# KiCad board Neptune.kicad_pcb (continued)
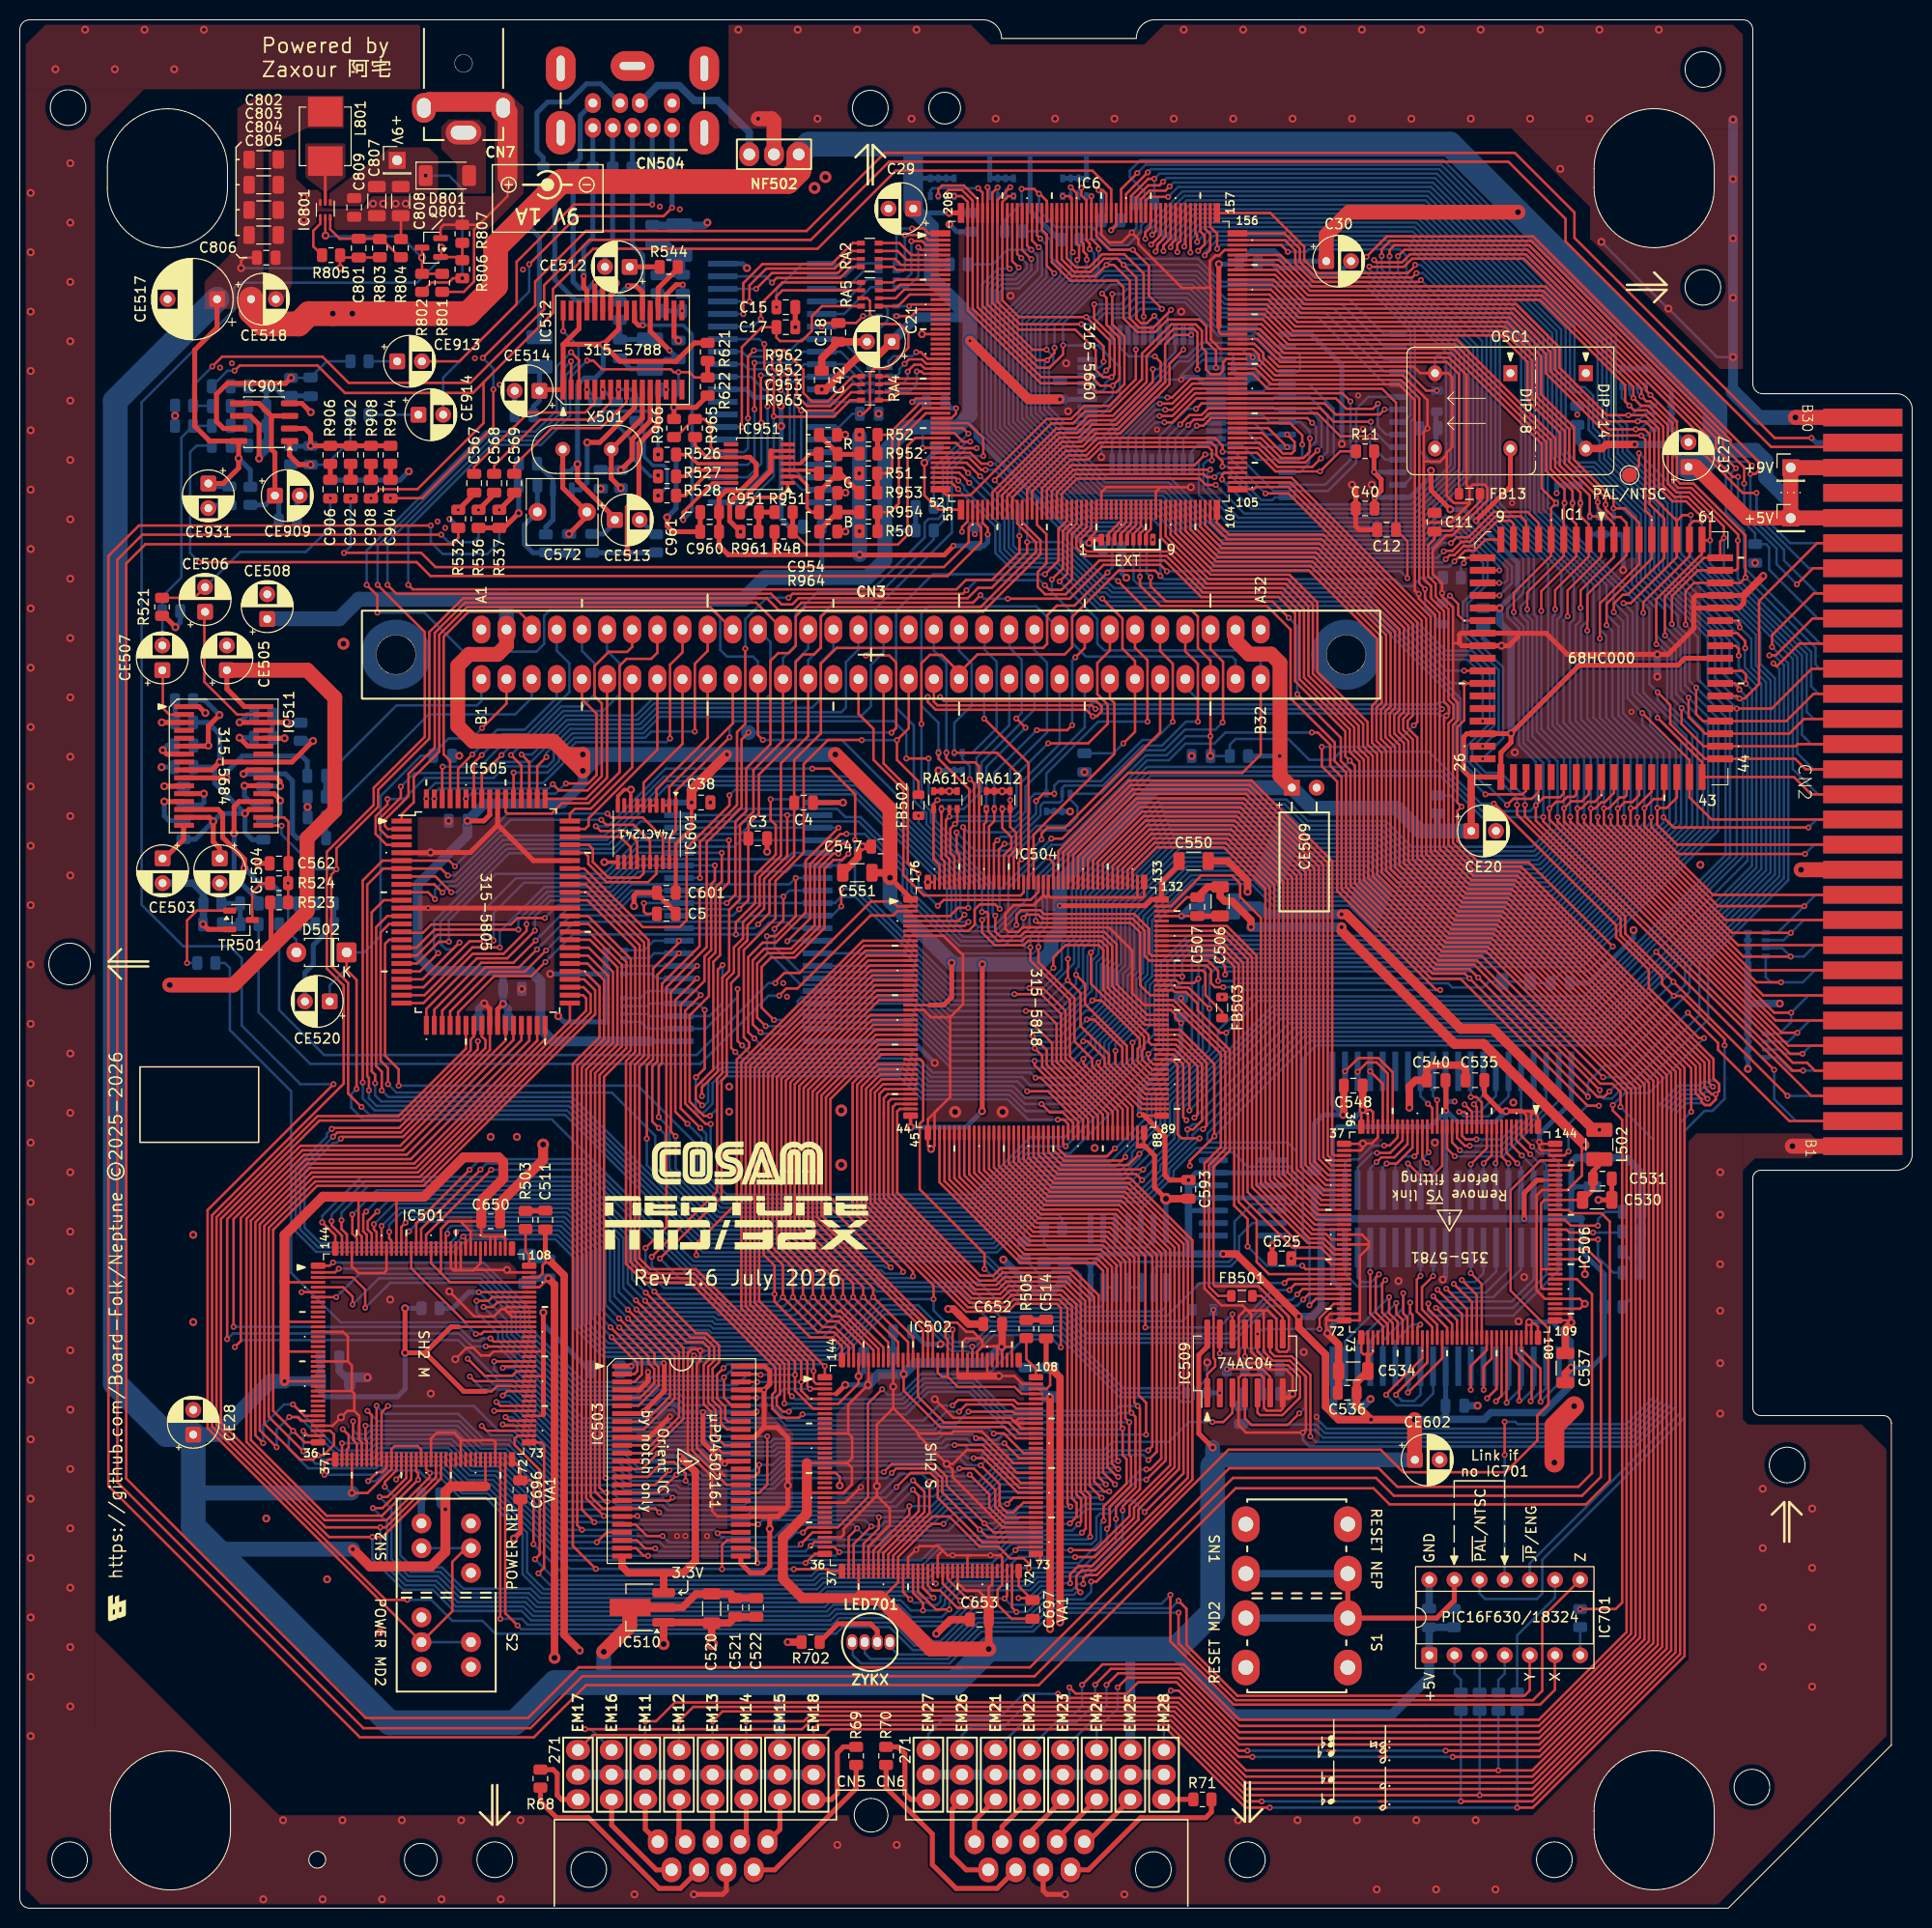
[diagram p0: board, top side]
## Routing (per net, layer and track width the routed paths; a pad name or vN(x,y) marks a point on that pad's centre or on a via; arc(x,y) is an arc through that point) (continued)
~{AS}: length 270.9
  Top w0.25: 103.78,171.88 103.78,172.57 103.04,173.31 v1(102.97,173.31) 102.48,173.8 v1(101.22,173.8)
  Bottom w0.25: v1(101.22,173.8) 101.22,172.38 99.51,170.66 R75.2 ; v1(102.97,173.31) 102.97,171.63 104.65,169.95 108.36,169.95 110.21,168.1 111.93,168.1 113.28,169.45 113.28,170.11 113.65,170.49 113.65,173.51 112.15,175.01 112.15,175.64 113.21,176.7 143.84,176.7 161.25,159.28 161.25,151.07 162.4,149.92 162.4,147.38 167.39,142.38 167.39,136.76 175.4,128.75 175.4,125.62 176.88,124.14 176.88,104.71 160.3,88.12 129.8,88.12 120,78.33 120,77.7 120.29,77.41 128.09,77.41 128.99,76.51 128.99,71.68 128.48,71.17 124.49,71.17 122.74,69.42 122.74,65.91 122.17,65.34 111.37,65.34 110.72,64.69 IC516.12 IC516.13 109.44,61.03 109.18,60.77 107.76,60.77 107.17,61.35 107.17,64.02 106.77,64.42 104.38,64.42 R558.2 103.48,63.65 101.56,65.57 R559.1
~{BACKM}: length 78.8
  Top w0.25: v1(21.6,58.78) 21.6,69.68 28.55,76.62 38.73,76.62 49.88,87.78 IC505.36 ; IC501.93 47.88,57.28 v1(47.55,57.6)
  Bottom w0.25: v1(47.55,57.6) 46.78,57.6 46.53,57.35 45.75,57.35 44.32,58.78 v1(21.6,58.78)
~{BACKS}: length 137.5
  Top w0.25: v1(99.47,47) 100.97,45.5 IC502.92 ; IC505.37 50.68,87.75 39.1,76.18 28.73,76.18 22.32,69.77 22.32,57.33 v1(21.72,56.72)
  Bottom w0.25: v1(21.72,56.72) 22.42,57.43 44.31,57.43 48.34,53.4 49.82,53.4 55.95,47.28 69.38,47.28 70.02,46.63 75.97,46.63 76.34,47 93.12,47 93.57,47.45 95.65,47.45 96.2,46.9 99.38,46.9 v1(99.47,47)
~{BGAK}: length 86.6
  Top w0.25: v1(108.1,167.73) 108.1,168.28 107.78,168.6 107.78,172.18 ; v1(149.48,133.98) IC1.12 ; v1(107.26,173.91) 107.26,173.15 107.78,172.63 107.78,171.38
  Bottom w0.25: v1(108.1,167.73) 108.55,167.28 108.55,165.88 102.62,159.96 102.62,151.16 109.64,144.15 116.04,144.15 121.44,138.75 141.86,138.75 143.26,140.15 145.59,140.15 150.3,135.43 150.3,134.3 149.98,133.98 v1(149.48,133.98) ; RA608.6 106.97,173.62 v1(107.26,173.91)
~{BG}: length 80.3
  Top w0.25: v1(107.8,166.65) 107.8,167.14 107.47,167.47 107.47,168.25 107.28,168.45 107.28,171.88 ; v1(149.49,135.25) IC1.11
  Bottom w0.25: v1(107.8,166.65) 107.8,165.77 102.17,160.14 102.17,150.98 109.45,143.7 115.85,143.7 121.25,138.3 142.05,138.3 143.45,139.7 145.4,139.7 149.49,135.61 v1(149.49,135.25)
~{BREQS}: length 141.2
  Top w0.25: v1(20.95,57.53) 20.95,69.67 28.36,77.08 38.44,77.08 49.08,87.71 IC505.35 ; IC502.93 101.42,46 99.42,48 98.43,48 v1(98.4,47.97) ; v1(47.07,56.8) 47.1,56.78 IC501.92
  Bottom w0.25: v1(20.95,57.53) 21.52,58.1 44.36,58.1 45.66,56.8 v1(47.07,56.8) 48.33,56.8 56.51,48.62 76.28,48.62 77,47.9 92.6,47.9 93.2,48.5 97.87,48.5 v1(98.4,47.97)
~{BR}: length 85.5
  Top w0.25: v1(108.28,173.07) 108.28,168.74 109,168.02 v1(109,167.73) ; v1(149.5,132.71) IC1.13
  Bottom w0.25: v1(108.28,173.07) 107.78,173.07 ; v1(149.5,132.71) 150.75,133.96 150.75,135.62 145.77,140.6 143.08,140.6 141.68,139.2 121.62,139.2 116.22,144.6 109.82,144.6 103.07,151.35 103.07,159.77 109,165.69 v1(109,167.73)
~{CART}: length 87.5
  Top w0.25: CN3.b32 125.38,116.63 123.53,114.78 112,114.78 105.34,108.12 v1(104.22,108.12) ; 106.78,141.15 106.78,139.98 105.85,139.05 105.85,134.93 v1(105.05,134.13) ; v1(99,101.03) 98.55,101.47 97,101.47 96.47,100.95 96.47,99.43 95.85,98.8 IC504.7
  Bottom w0.25: v1(105.05,134.13) 108.87,130.31 108.87,127.83 109.55,127.15 124.42,127.15 125.38,126.2 CN3.b32 ; v1(99,101.03) 99,102.9 v1(104.22,108.12)
~{CAS0}: length 242.2
  Top w0.25: v1(100.92,165.85) 100.28,166.5 100.28,171.88 ; v1(118.22,75.05) 118.22,75.55 v1(120.7,78.03) 120.69,78.05 120.69,85.33 117.22,88.8 IC504.106 ; v1(178.61,82.12) v1(167.08,93.65) 162.21,98.52 162.21,100.26 152.08,110.4 v1(152.08,111.52)
  Bottom w0.25: 137.31,133.9 137.31,133.9 144.09,127.12 146.75,127.12 148.97,124.9 148.97,119.58 146.75,117.36 146.75,116.16 148.14,114.78 149.64,114.78 152.08,112.34 v1(152.08,111.52) ; v1(167.08,93.65) 161.1,87.68 130.35,87.68 v1(120.7,78.03) ; v1(100.92,165.85) 100.92,165.74 100.28,165.1 98.84,165.1 97.67,163.94 97.67,149.11 107.59,139.2 112.07,139.2 112.53,138.75 112.53,134.29 112.92,133.9 137.28,133.9 ; v1(178.61,82.12) CN2.a3 ; 125.17,73.07 128.29,73.07 128.54,73.32 128.54,74.7 128.26,74.97 124.03,74.97 122.6,76.4 119.07,76.4 118.22,75.56 v1(118.22,75.05)
~{CAS1}: length 26.4
  Top w0.25: v1(72.95,149.73) 72.95,157.8 74.97,159.82 C17.1 76.45,158.78 76.8,158.43 79,158.43 80.03,159.45 80.03,160.93 81.05,161.95 RA5.4
  Bottom w0.25: v1(72.95,149.73) 72.95,149.73 IC7.27
~{CAS2}: length 230.1
  Top w0.25: 102.78,141.15 102.78,139.85 103.72,138.9 103.72,135.95 102.85,135.07 102.85,133.57 103.6,132.82 105.67,132.82 109.1,136.25 115.68,136.25 119.38,132.55 127.18,132.55 128.85,130.88 128.85,124.05 133.93,118.97 133.93,116.45 v1(134.38,116) 134.9,115.48 134.9,103.59 143.11,95.38 146.96,95.38 v1(159.63,82.71) ; v1(177.04,127.5) 177.04,128.69 181.27,132.92 CN2.b23 ; IC504.113 114.2,92.3 113.2,93.3 113.2,98.63 112.23,99.6 102.87,99.6 v1(102.65,99.82)
  Bottom w0.25: v1(102.65,99.82) 102.65,104.15 113.88,115.38 133.75,115.38 v1(134.38,116) ; v1(177.04,127.5) 178.68,125.86 178.68,103.94 178.62,103.88 178.62,103.87 178.53,103.78 178.53,103.78 170.58,95.83 170.58,89.83 163.65,82.9 161.9,82.9 160.85,81.85 159.97,81.85 159.63,82.2 v1(159.63,82.71)
~{CASEL}: length 24.4
  Top w0.25: 102.42,103.72 102.42,108.52 110.59,116.68 110.59,121.84 110.14,122.29 CN3.b26 110.36,124.04
~{CCAS0}: length 35.9
  Top w0.25: 101.42,103.72 101.42,102.69 101.11,102.38 91.35,102.38 89.28,104.45 89.28,113.08 86.25,116.1 86.25,119.23 84.74,120.74 CN3.b16
~{CCAS2}: length 22.4
  Top w0.25: 101.92,103.72 101.92,115.77 v1(97.44,120.25)
  Bottom w0.25: v1(97.44,120.25) 97.44,120.25 CN3.b21
~{CCE0}: length 37
  Top w0.25: v1(92.75,101.33) 93.35,101.93 102.12,101.93 102.92,102.72 102.92,103.72 ; CN3.b17 87.28,115.71 89.72,113.26 89.72,105.68 v1(90.8,104.6)
  Bottom w0.25: v1(90.8,104.6) 90.8,103.28 v1(92.75,101.33)
~{CE0}: length 85.2
  Top w0.25: IC504.107 113.65,89.3 109.93,93.02 109.93,97.07 109.2,97.8 101.89,97.8 101.44,97.35 98.5,97.35 97.22,98.62 v1(97.22,99.9) ; 105.78,141.15 105.78,140.25 104.95,139.43 104.95,136.23 v1(103.57,134.85)
  Bottom w0.25: v1(97.22,99.9) 97.29,99.9 97.85,100.46 97.85,103.33 91.6,109.58 91.6,110.71 90.32,111.98 90.32,119.58 88.54,121.36 88.54,131.14 92.25,134.85 v1(103.57,134.85)
~{CLWR}: length 27.5
  Top w0.25: v1(101.23,106.03) 100.92,105.73 100.92,103.72 ; v1(103.23,108.04) 103.23,108.65 103.8,109.21 105.57,109.21 115.22,118.85 CN3.b28
  Bottom w0.25: v1(103.23,108.04) v1(101.23,106.03)
~{CSYNC}: length 27.2
  Top w0.25: IC6.42 90.47,148.62 89.7,147.85 89.7,138.82 88.72,137.85 79.39,137.85 R48.2
  Top w0.5: R951.1 R48.2
~{DISK}: length 125.2
  Top w0.25: CN2.b2 178.79,79.58 171.59,86.78 171.59,87.47 v1(168.53,90.53) ; v1(159.97,84) 147.7,96.28 143.49,96.28 135.8,103.96 135.8,116.1 134.83,117.07 134.83,119.35 129.75,124.42 129.75,131.32 127.62,133.45 119.75,133.45 116.05,137.15 107.8,137.15 107.2,137.75 107.2,138.4 108.28,139.48 108.28,141.15
  Bottom w0.25: v1(159.97,84) 162,84 v1(168.53,90.53)
~{DTAK}: length 172.9
  Top w0.25: v1(98.56,100.34) 98.56,98.74 99.05,98.25 101.07,98.25 101.52,98.7 109.57,98.7 110.83,97.44 110.83,93.4 113.92,90.3 IC504.109 ; 101.78,171.88 101.78,168.07 v1(102.2,167.65) ; v1(115.25,134.67) 114.7,135.23 111.03,135.23 106.32,130.53 106.32,127.5 105.57,126.75 96.78,126.75 94.9,124.87 CN3.b20 94.9,124.95 93.15,126.7 91.95,126.7 91.1,125.85 v1(91.1,119.73)
  Bottom w0.25: R15.1 98.31,166.18 99.78,167.65 v1(102.2,167.65) 102.82,167.03 102.82,165.59 100.98,163.75 99.4,163.75 99.03,163.38 99.03,149.67 108.15,140.55 114.35,140.55 115.25,139.65 115.25,136.48 115.25,136.47 v1(115.25,134.67) 115.57,134.35 138.97,134.35 139.67,133.65 140.72,133.65 141.58,134.5 R74.1 ; v1(91.1,119.73) 91.1,111.85 92.05,110.9 92.05,109.77 98.3,103.52 98.3,100.6 v1(98.56,100.34)
~{EOE}: length 74.9
  Top w0.25: 100.78,141.15 100.78,139.99 102.67,138.09 102.67,137.12 97.07,131.53 79.32,131.53 78.4,130.6 78.4,127.6 77.68,126.88 76.64,126.88 75.84,126.08 75.84,117.67 73.4,115.23 73.4,110.9 72.3,109.8 72.3,102.47 v1(71.44,101.61) ; v1(63.05,101.6) 63.05,100.75 63.28,100.53 C5.1
  Bottom w0.25: v1(63.05,101.6) 63.06,101.61 IC2.32 v1(71.44,101.61)
~{FDC}: length 139.8
  Top w0.25: v1(136.06,166.94) 138.12,169 152.91,169 175.67,146.23 175.67,145.3 175.37,145 v1(174.85,145) ; 104.78,141.15 104.78,143.11 106.63,144.97 119.63,144.97 119.93,144.67 v1(120.71,144.67)
  Bottom w0.25: v1(120.71,144.67) 121.09,145.06 122.1,145.06 125.26,141.9 140.56,141.9 144.57,145.91 144.57,156.81 135.72,165.66 135.72,166.6 v1(136.06,166.94) ; CN2.a24 180.77,135.46 174.85,141.37 v1(174.85,145)
~{FDWR}: length 138.8
  Top w0.25: v1(179.55,133.82) 181.18,135.46 CN2.b24 ; v1(173.6,144.7) 173.09,144.7 170.62,147.16 170.62,148.74 152.16,167.2 140.47,167.2 139.65,166.38 137.08,166.38 v1(136.84,166.61) ; v1(120.83,143.88) 119.84,143.88 119.21,144.52 106.82,144.52 105.28,142.97 105.28,141.15
  Bottom w0.25: v1(179.55,133.82) 177.5,135.88 177.5,137.45 173.6,141.35 v1(173.6,144.7) ; v1(120.83,143.88) 123.71,141 140.93,141 145.47,145.54 145.47,157.19 137.15,165.51 137.15,166.3 v1(136.84,166.61)
~{FRES}: length 116.5
  Top w0.25: v1(136.35,165.95) 136.37,165.93 139.84,165.93 140.66,166.75 151.97,166.75 169.9,148.82 169.9,147.25 174.08,143.07 v1(175.47,143.07) ; IC6.108 121.69,145.12 121.47,144.9 v1(121.47,144.43)
  Bottom w0.25: v1(175.47,143.07) 175.47,141.39 178.86,138 CN2.a25 ; v1(121.47,144.43) 124.45,141.45 140.75,141.45 145.02,145.72 145.02,157 136.35,165.67 v1(136.35,165.95)
~{HALT}: length 65.3
  Top w0.25: IC1.19 147.79,125.1 v1(145.93,125.1) ; v1(95.81,145.09) 95.28,145.62 IC6.48
  Bottom w0.25: v1(95.81,145.09) 99.92,140.98 99.92,137.56 100.58,136.9 105.23,136.9 109.12,133.01 109.71,133.01 110.17,132.55 136.7,132.55 144.15,125.1 v1(145.93,125.1)
~{HSYNC}: length 176.2
  Top w0.25: CN3.b14 79.66,118.5 76.9,115.74 76.9,106.39 74.75,104.24 74.75,101.36 73.07,99.68 73.07,98.05 72.15,97.13 72.15,94.6 71.42,93.88 71.42,84.21 70.91,83.69 70.91,71.91 v1(64.67,65.68) ; IC6.43 94.59,148.12 95.12,147.6 v1(96.67,147.6) ; v1(128.29,62.49) 128.29,62.54 128.85,63.1 IC506.65
  Bottom w0.25: v1(64.67,65.68) 66.75,63.6 86.6,63.6 86.95,63.25 96.97,63.25 100.03,60.2 105.78,60.2 107.92,58.06 122.14,58.06 126.57,62.49 v1(128.29,62.49) ; v1(96.67,147.6) 95.66,147.6 93.72,145.67 93.72,140.66 R14.1 92.34,138.38 86.16,132.2 82.5,132.2 80.92,130.62 80.92,127.42 79.66,126.16 CN3.b14
~{INT}: length 27.1
  Top w0.25: v1(115.4,161.68) 114.08,163 114.08,166.02 v1(112.45,167.65) 110.16,167.65 108.78,169.04 108.78,171.88
  Bottom w0.25: IC4.12 110.36,160.52 110.63,160.79 112.31,160.79 113.19,161.68 v1(115.4,161.68) ; v1(112.45,167.65) 110.03,167.65 108.99,168.69 R10.1
~{IORQ}: length 20.8
  Top w0.25: 105.78,171.88 105.78,166.81 106.71,165.88 108.03,165.88 109.35,167.2 111.6,167.2 113.55,165.25 v1(113.55,160.9)
  Bottom w0.25: IC4.16 113.55,159.05 v1(113.55,160.9)
~{IPL1}: length 104
  Top w0.25: v1(106.83,166.63) 107.03,166.82 107.03,168.06 106.78,168.31 106.78,171.8 ; 106.78,171.38 106.78,173.38 v1(106.18,173.97)
  Bottom w0.25: v1(106.18,173.97) 106.17,173.97 RA608.7 ; v1(147.8,116.2) 149.87,118.27 149.87,125.43 146.26,129.04 146.26,131.83 148.3,133.87 148.3,136.16 145.21,139.25 143.64,139.25 142.24,137.85 121.07,137.85 115.67,143.25 109.26,143.25 101.72,150.79 101.72,160.33 106.83,165.44 v1(106.83,166.63)
~{IPL2}: length 100.9
  Top w0.25: 106.28,171.54 106.28,167.52 v1(106.4,167.4) ; v1(105.38,173.07) 106.05,173.07 106.28,172.85 106.28,171.38
  Bottom w0.25: v1(106.4,167.4) 106.21,167.21 106.21,165.45 101.28,160.52 101.28,150.6 109.08,142.8 115.48,142.8 120.88,137.4 142.42,137.4 143.82,138.8 145.03,138.8 147.85,135.98 147.85,134.05 145.81,132.01 145.81,128.79 149.42,125.18 149.42,119.09 v1(147.8,117.47)
~{JAP}: length 143
  Top w0.25: IC6.107 128.49,144.62 142.55,130.56 142.55,106.76 146.28,103.03 150.77,103.03 168.87,84.92 v1(168.87,80.53)
  Bottom w0.25: 152.56,33.19 152.56,34.86 167.75,50.05 167.75,79.4 v1(168.87,80.53)
~{LDS}: length 84.1
  Top w0.25: v1(144.07,136.38) 144.47,136.77 144.9,136.77 144.9,136.78 144.94,136.78 145.85,137.69 146.73,137.69 149.29,140.25 150.63,140.25 150.91,139.97 IC1.8 ; 102.78,171.88 102.78,169.12 v1(103.11,168.78)
  Bottom w0.25: v1(103.11,168.78) 103.11,168.77 103.72,168.15 103.72,164.88 99.92,161.08 99.92,150.04 108.52,141.45 114.92,141.45 120.32,136.05 143.75,136.05 v1(144.07,136.38)
~{LWR}: length 285.1
  Top w0.25: v1(121.08,93.73) 121.08,94.76 120.04,95.8 IC504.120 114.12,95.8 113.65,96.28 113.65,98.82 112.42,100.05 103.3,100.05 102.91,100.44 101.74,100.44 v1(101.4,100.1) ; v1(177.17,125.84) 177.47,125.55 177.53,125.55 179.81,127.84 CN2.b21 ; v1(101.19,166.81) 100.78,167.23 100.78,171.88 ; v1(158.45,82.03) v1(146.47,94) 146,94.47 142.74,94.47 134,103.22 134,114.81 132.85,115.96 132.85,117.85 128.4,122.3 128.4,129.25 126,131.65 115.25,131.65 113.17,133.73 v1(113.17,134.6)
  Bottom w0.25: v1(101.19,166.81) 101.75,166.25 101.75,165.79 100.61,164.65 99.02,164.65 98.12,163.75 98.12,149.3 107.77,139.65 112.6,139.65 113.17,139.07 v1(113.17,134.6) ; v1(146.47,94) 122.82,94 122.56,93.73 v1(121.08,93.73) ; IC2.38 72.43,109.23 73.06,109.86 84.76,109.86 89.65,104.96 89.65,102.58 94.93,97.3 99.48,97.3 101.4,99.22 v1(101.4,100.1) ; v1(177.17,125.84) 177.78,125.24 177.78,104.31 168.7,95.23 168.7,92.62 161.25,85.18 160.12,85.18 158.45,83.5 v1(158.45,82.03)
~{M1}: length 31.2
  Top w0.25: 104.28,171.88 104.28,166.4 106.15,164.53 110.85,164.53 111.51,163.86 111.51,160.73 112.91,159.33 114.72,159.33 115.99,160.6 119.2,160.6 119.88,159.92 119.88,158.39 120.86,157.42 v1(120.86,155.74)
~{M3}: length 261.6
  Top w0.25: v2(120.3,116.48) 120.3,116.48 v1(120.3,118.48) CN3.b30 120.3,126.13 119.03,127.4 119.03,130.57 118.4,131.2 113.92,131.2 v1(110.97,134.15) ; v1(98.07,146.03) 97.15,146.03 96.05,147.12 IC6.45 ; v1(89.57,116.23) v1(91.82,116.23) ; v1(170.17,87.96) 169.65,87.96 164.59,93.02 164.59,94.86 161.29,98.16 161.29,99.37 149,111.66 v1(148.93,111.66) ; v1(71.71,118.36) 66.28,112.93 IC601.1 66.28,108.9 65.62,108.25 IC601.19 ; v1(160.95,81.19) 160.95,80.65 161.9,79.7 161.9,30.9 161.24,30.24 v1(157.66,30.24)
  Bottom w0.25: v1(98.07,146.03) 98.5,146.03 105.6,138.92 105.6,138.44 109.64,134.4 110.72,134.4 v1(110.97,134.15) ; v1(160.95,81.19) 162.17,82.41 164.62,82.41 v1(170.17,87.96) ; v1(91.82,116.23) 91.82,111.76 92.5,111.08 92.5,109.95 96.06,106.39 100.32,106.39 102.9,108.97 106.2,108.97 113.78,116.55 115.88,116.55 117.81,118.48 v1(120.3,118.48) ; v1(148.93,111.66) 147.63,111.66 142.38,116.91 133.46,116.91 132.65,116.1 130.27,116.1 128.17,118.2 122.84,118.2 122.26,117.62 R566.1 v2(120.3,116.48) ; v1(89.57,116.23) 89.57,118.73 88.3,120 72.28,120 71.71,119.44 v1(71.71,118.36)
~{MREQ}: length 29.5
  Top w0.25: 93.03,143.62 IC6.52 93.65,142.82 96.03,142.82 103.75,150.55 106.22,150.55 107.55,151.88 110.06,151.88 112.76,154.57 v1(112.76,157.56)
  Bottom w0.25: v1(112.76,157.56) IC4.15
~{MRES}: length 170
  Top w0.25: IC506.64 128.17,63.6 v1(127.78,63.2) ; v1(46.7,119.3) 49.18,121.78 CN3.b2 ; D502.1 33.02,94.85 34.03,93.85 v1(34.03,82.83)
  Bottom w0.25: v1(127.78,63.2) 119.24,63.2 115.91,59.87 107.38,59.87 106.15,61.1 101.92,61.1 97.63,65.4 68.1,65.4 53.75,79.75 34.67,79.75 33.48,80.94 33.48,82.28 v1(34.03,82.83) ; CE520.1 31.31,93.28 33.02,95 D502.1 34.8,96.62 36.45,98.28 36.45,112.43 40.53,116.5 C595.2 41.78,116.7 43.32,118.25 45.65,118.25 v1(46.7,119.3)
~{NMI}: length 30.4
  Top w0.25: 99.28,141.15 99.28,142.87 105.08,148.67 107.04,148.67 108.34,149.98 110.81,149.98 115.27,154.44 115.27,156.29 v1(114.68,156.87)
  Bottom w0.25: IC4.13 111.16,157.76 112.05,156.87 v1(114.68,156.87)
~{NOE}: length 69.7
  Top w0.25: 73.61,108.29 73.61,109.57 74.67,110.64 74.67,114.6 78.4,118.33 78.4,126 79.15,126.75 80.25,126.75 80.94,127.44 80.94,130.54 81.47,131.07 97.32,131.07 103.12,136.88 103.12,138.28 101.28,140.12 101.28,141.15 ; v1(72.69,100.99) 73.61,101.91 C3.1
  Bottom w0.25: v1(72.69,100.99) 72.04,100.34 IC2.31
~{OE1}: length 6.2
  Top w0.25: v1(85.2,160.95) 84.5,160.25 C18.1 81.38,160.25 v1(81.03,159.89)
  Bottom w0.25: v1(85.2,160.95) 86.78,160.95
~{RAS0}: length 117.6
  Top w0.25: v1(109.9,135.03) 106.55,131.68 104.78,131.68 103.8,130.7 103.8,127.8 103.4,127.4 82.53,127.4 80.94,125.82 80.94,118.77 78.24,116.07 C4.1 ; C4.1 78.24,106.38 75.75,103.89 75.75,100.61 v1(74.6,99.45) ; C4.1 78.23,111.75 78.18,111.75 ; 99.78,171.88 99.78,165.98 v1(100.03,165.73)
  Bottom w0.25: v1(100.03,165.73) 98.82,165.73 97.22,164.12 97.22,148.93 107.4,138.75 109.97,138.75 110.38,138.35 110.38,135.5 v1(109.9,135.03) ; v1(74.6,99.45) 74.21,99.07 IC2.30
~{RAS1}: length 22.7
  Top w0.25: RA5.3 85.62,162.75 85.9,162.48 85.9,161.12 86.88,160.15 88.9,160.15 89.78,159.28 89.78,157.75 87.67,155.65 86.32,155.65 85.9,155.23 85.9,151.73 85.25,151.07 v1(84.88,151.07)
  Bottom w0.25: v1(84.88,151.07) 84.12,151.07 82.78,149.73 IC7.14
~{RAS2}: length 148.2
  Top w0.25: v1(138.4,167) 138.4,167.62 138.87,168.1 152.53,168.1 172.1,148.53 172.1,147.78 174.22,145.65 v1(174.22,144.03) ; v1(120.45,146.36) 120.45,147.37 120.09,147.73 109.27,147.73 107.97,146.42 106.17,146.42 103.28,143.53 103.28,141.15
  Bottom w0.25: v1(174.22,144.03) 174.22,141.36 178.25,137.34 178.25,136.25 181.58,132.92 CN2.a23 ; v1(120.45,146.36) 119.98,146.36 119.58,145.96 119.58,143.42 122.9,140.1 141.31,140.1 146.38,145.17 146.38,157.55 138.4,165.53 v1(138.4,167)
~{REF}: length 33.2
  Top w0.25: v1(121.51,145.75) 121.51,146.26 120.9,146.88 120.9,147.68 120.4,148.18 109.08,148.18 107.78,146.87 105.92,146.87 102.28,143.23 102.28,141.15
  Bottom w0.25: 128.05,142.62 126.82,142.62 126.55,142.35 125.45,142.35 122.05,145.75 v1(121.51,145.75)
~{ROM}: length 152.4
  Top w0.25: v1(175,145.85) 172.85,148 172.85,148.42 152.72,168.55 138.45,168.55 137.6,167.7 v1(137.6,167.03) ; 104.28,141.15 104.28,143.25 106.45,145.42 v1(120.28,145.42)
  Bottom w0.25: v1(175,145.85) 174.62,146.23 172.87,146.23 172.37,145.73 172.37,141.1 174.21,139.27 174.21,135.55 181.91,127.84 CN2.a21 ; v1(137.6,167.03) 137.6,165.69 145.93,157.36 145.93,145.36 141.12,140.55 123.12,140.55 120.03,143.64 120.03,145.17 v1(120.28,145.42)
~{SC}: length 17.3
  Top w0.25: v1(76.45,161.85) 76.45,162.95 77.05,163.55 RA5.2
  Bottom w0.25: v1(76.45,161.85) 76.45,163.62 79.06,166.24 IC7.1
~{SE0}: length 16.7
  Top w0.25: RA5.1 77.05,164.35 74.88,162.18 v1(74.88,160.68)
  Bottom w0.25: v1(74.88,160.68) 74.09,159.89 IC7.35
~{SHBS}: length 129.9
  Top w0.25: IC502.76 97.75,37.5 93.2,42.05 93.2,43.45 92.19,44.45 88.55,44.45 v1(88.1,44) ; v1(113.82,43.33) 113.84,43.33 115.78,45.26 115.78,66.41 111.11,71.08 103.51,71.08 99.42,75.16 IC504.60 ; v1(48.79,48.9) 48.92,48.78 IC501.76
  Bottom w0.25: v1(96.97,38.27) 98.44,38.27 99.46,39.3 100.77,39.3 101,39.53 106.95,39.53 107.78,40.35 109.97,40.35 112.95,43.33 v1(113.82,43.33) ; v1(48.79,48.9) 49.87,48.9 54.64,44.12 59.97,44.12 61.35,42.75 66.39,42.75 66.74,42.4 76.2,42.4 77.27,43.47 87.57,43.47 v1(88.1,44)
~{SHCAS}: length 71
  Top w0.25: v1(65.65,44.27) 64.18,42.8 IC503.16 ; v1(48.15,51.18) 48.55,50.78 IC501.80 ; v1(94.93,44.45) 94.94,44.45 96.4,44.45 98.55,42.3 98.55,40.55 99.6,39.5 IC502.80
  Bottom w0.25: v1(48.15,51.18) 49.5,51.18 55.2,45.47 60.92,45.47 62.3,44.1 65.48,44.1 v1(65.65,44.27) 65.82,44.45 68.33,44.45 69.03,43.75 75.64,43.75 77.09,45.2 91.95,45.2 93.03,44.12 94.6,44.12 v1(94.93,44.45)
~{SHCKE}: length 40.2
  Top w0.25: v1(75.53,47.7) 75.53,42.83 74.7,42 IC503.34 ; v1(48.8,54.62) 48.95,54.78 IC501.88
  Bottom w0.25: v1(48.8,54.62) 49.87,54.62 56.32,48.18 69.75,48.18 70.22,47.7 75.52,47.7 v1(75.53,47.7)
~{SHCS0M}: length 129.3
  Top w0.25: 49.55,45.36 IC501.72 50.57,44.51 C696.1 51.55,43.25 51.9,42.9 v1(51.9,36.8) ; IC504.64 101.42,75.7 104.25,72.88 111.85,72.88 117.57,67.15 117.57,43.96 v1(113.65,40.04)
  Bottom w0.25: v1(113.65,40.04) 112.49,41.2 111.46,41.2 110.16,39.9 109.15,39.9 108.78,39.53 108.78,37.29 108.31,36.83 100.17,36.83 98.2,34.85 92.03,34.85 91.45,34.28 80.67,34.28 79.99,33.6 55.1,33.6 v1(51.9,36.8)
~{SHCS0S}: length 72.9
  Top w0.25: IC504.63 100.92,75.57 104.07,72.43 111.67,72.43 117.12,66.97 117.12,44.41 113.03,40.31 113.03,39.28 108.35,34.6 106.97,34.6 106.12,33.75 v1(106.12,32.85) ; 100.92,34.09 100.92,32.55 C697.1 102.12,31.35 v1(100.9,31.35)
  Bottom w0.25: v1(106.12,32.85) 104.87,32.85 104.6,32.57 103.16,32.57 101.94,31.35 v1(100.9,31.35)
~{SHCS1}: length 131.7
  Top w0.25: IC502.73 102.97,35.83 103.07,35.72 v1(103.07,35) ; IC501.73 52.65,47.1 52.97,46.78 52.97,34.43 v1(52.4,33.85) ; v1(106.62,35.5) 108.61,35.5 112.57,39.46 112.57,40.49 116.67,44.59 116.67,66.78 111.48,71.97 103.88,71.97 100.42,75.43 IC504.62
  Bottom w0.25: v1(52.4,33.85) 53.55,32.7 80.36,32.7 81.04,33.38 91.82,33.38 92.4,33.95 99.33,33.95 100.9,35.53 102.55,35.53 v1(103.07,35) 103.57,35.5 v1(106.62,35.5)
~{SHCS2}: length 132.5
  Top w0.25: IC501.74 50.32,47.78 50,47.45 50,46.83 52.53,44.3 52.53,35.75 v1(52.05,35.28) ; v1(106.17,36.2) 108.67,36.2 112.12,39.65 112.12,40.68 116.22,44.78 116.22,66.59 111.29,71.53 103.69,71.53 99.92,75.29 IC504.61 ; v1(100.6,36.2) 100.9,36.5 IC502.74
  Bottom w0.25: v1(52.05,35.28) 52.57,34.75 52.58,34.75 52.95,34.38 52.95,34.38 54.17,33.15 80.18,33.15 80.85,33.83 91.64,33.83 92.21,34.4 98.8,34.4 v1(100.6,36.2) v1(106.17,36.2)
~{SHCS3}: length 74.2
  Top w0.25: v1(88.57,42.58) 90,44 92.01,44 92.75,43.26 92.75,41.5 97.25,37 IC502.75 ; v1(46.67,48.75) 47.15,48.28 IC501.75 ; v1(65.96,41.51) 65.65,41.2 IC503.18
  Bottom w0.25: v1(88.57,42.58) 88.57,42.58 87.49,41.5 65.97,41.5 v1(65.96,41.51) 65.62,41.85 60.69,41.85 59.76,42.78 54.72,42.78 49.7,47.8 47.62,47.8 v1(46.67,48.75)
~{SHDQMLL}: length 134.6
  Top w0.25: v1(114,46.28) 114.42,46.7 114.42,65.85 110.55,69.72 102.95,69.72 97.92,74.75 IC504.57 ; v1(45.47,53.75) 45.95,53.28 IC501.85 ; v1(64.46,45.99) 62.87,44.4 IC503.14 ; v1(96.37,45.5) 97.35,45.5 100.85,42 IC502.85
  Bottom w0.25: v1(45.47,53.75) 46.78,52.45 49.5,52.45 55.58,46.38 61.4,46.38 61.78,45.99 v1(64.46,45.99) 64.82,46.35 68.97,46.35 69.6,45.73 76.34,45.73 76.71,46.1 95.14,46.1 95.74,45.5 v1(96.37,45.5) 96.92,45.5 97.28,45.85 109.72,45.85 110.15,46.28 114,46.28 v1(114,46.28)
~{SHDQMLU}: length 129.8
  Top w0.25: v1(114.03,45.3) 114.88,46.15 114.88,66.03 110.73,70.18 103.13,70.18 98.42,74.88 IC504.58 ; IC502.83 101.4,41 100.4,40 99.74,40 99,40.74 99,42.88 v1(97.1,44.78) ; v1(48.8,51.83) 49.25,52.28 IC501.83 ; IC503.36 74.2,43.6 74.7,44.1 v1(74.7,44.83)
  Bottom w0.25: v1(48.8,51.83) 49.49,51.83 55.39,45.93 61.11,45.93 62.49,44.55 64.89,44.55 65.24,44.9 68.67,44.9 69.38,44.2 74.07,44.2 v1(74.7,44.83) 76.08,44.83 76.9,45.65 94.8,45.65 95.67,44.78 v1(97.1,44.78) 97.72,45.4 109.9,45.4 110.33,45.83 113.5,45.83 v1(114.03,45.3)
~{SHMIRL1}: length 88.4
  Top w0.25: v1(88,64.77) 81.45,71.32 81.45,81.99 86.76,87.3 IC504.30 ; IC501.128 40.05,69.25 v1(45.45,74.65)
  Bottom w0.25: v1(88,64.77) 88,64.78 87.45,64.78 87.28,64.95 67.87,64.95 57.09,75.72 46.53,75.72 v1(45.45,74.65)
~{SHMIRL2}: length 88.8
  Top w0.25: IC504.31 86.9,86.8 81.9,81.8 81.9,71.84 89.25,64.49 v1(89.25,64.32) ; v1(46.55,74.68) 46.55,74.66 40.55,68.66 IC501.127
  Bottom w0.25: v1(46.55,74.68) 47.15,75.28 56.91,75.28 67.68,64.5 87.05,64.5 87.4,64.15 89.08,64.15 v1(89.25,64.32)
~{SHMIRL3}: length 87
  Top w0.25: v1(47.62,74.65) 41.05,68.08 IC501.126 ; v1(90.25,63.87) 90.25,64.38 84.15,70.48 84.15,83.41 87.04,86.3 IC504.32
  Bottom w0.25: v1(90.25,63.87) 90.08,63.7 87.17,63.7 86.83,64.05 67.5,64.05 56.9,74.65 v1(47.62,74.65)
~{SHRAS}: length 71.5
  Top w0.25: v1(47.92,50.28) IC501.79 ; IC502.79 99.46,39 97.95,40.51 97.95,41.85 v1(95.97,43.83) ; v1(66.35,43.82) 64.53,42 IC503.17
  Bottom w0.25: v1(95.97,43.83) 95.82,43.68 92.72,43.68 91.65,44.75 77.27,44.75 75.82,43.3 68.84,43.3 68.31,43.82 v1(66.35,43.82) 66.18,43.65 61.95,43.65 60.57,45.03 55.02,45.03 49.77,50.28 v1(47.92,50.28)
~{SHRD0}: length 41.4
  Top w0.25: v1(122.52,60.05) 122.52,58.82 ; IC504.56 97.42,74.61 102.76,69.28 110.36,69.28 113.72,65.92 v1(113.72,58.71)
  Bottom w0.25: v1(122.52,60.05) 121.18,58.71 v1(113.72,58.71)
~{SHRD}: length 101.7
  Top w0.25: IC501.87 50.2,54.28 49.75,53.83 46.97,53.83 v1(45.25,55.55) ; v1(120.5,49.15) 121.6,49.15 122.52,50.07 122.52,51.62 ; v1(94.45,46.83) 97.29,46.83 101.12,43 IC502.87
  Bottom w0.25: v1(45.25,55.55) 47.85,52.95 49.64,52.95 55.76,46.83 69.17,46.83 69.82,46.18 76.16,46.18 76.53,46.55 93.45,46.55 93.73,46.83 v1(94.45,46.83) 95.42,46.83 95.95,46.3 109.53,46.3 110.38,47.15 116.1,47.15 118.1,49.15 v1(120.5,49.15)
~{SHRES}: length 100.5
  Top w0.25: v1(94.25,58.5) IC502.122 ; v1(92.32,61.58) 92.32,62.94 84.6,70.66 84.6,83.23 86.67,85.3 IC504.34 ; v1(43.2,68.19) 43.05,68.04 IC501.122
  Bottom w0.25: v1(43.2,68.19) 43.2,68.6 43.57,68.97 54.67,68.97 57.38,66.27 57.38,59.22 59.5,57.1 69.02,57.1 69.32,56.8 82.24,56.8 87.02,61.58 v1(92.32,61.58) 92.32,60.43 v1(94.25,58.5)
~{SHSIRL1}: length 44.2
  Top w0.25: IC502.128 91.25,58.53 80.1,69.68 80.1,82.54 86.36,88.8 IC504.27